# Allegro board 6089-119-RevB_08.brd (continued)
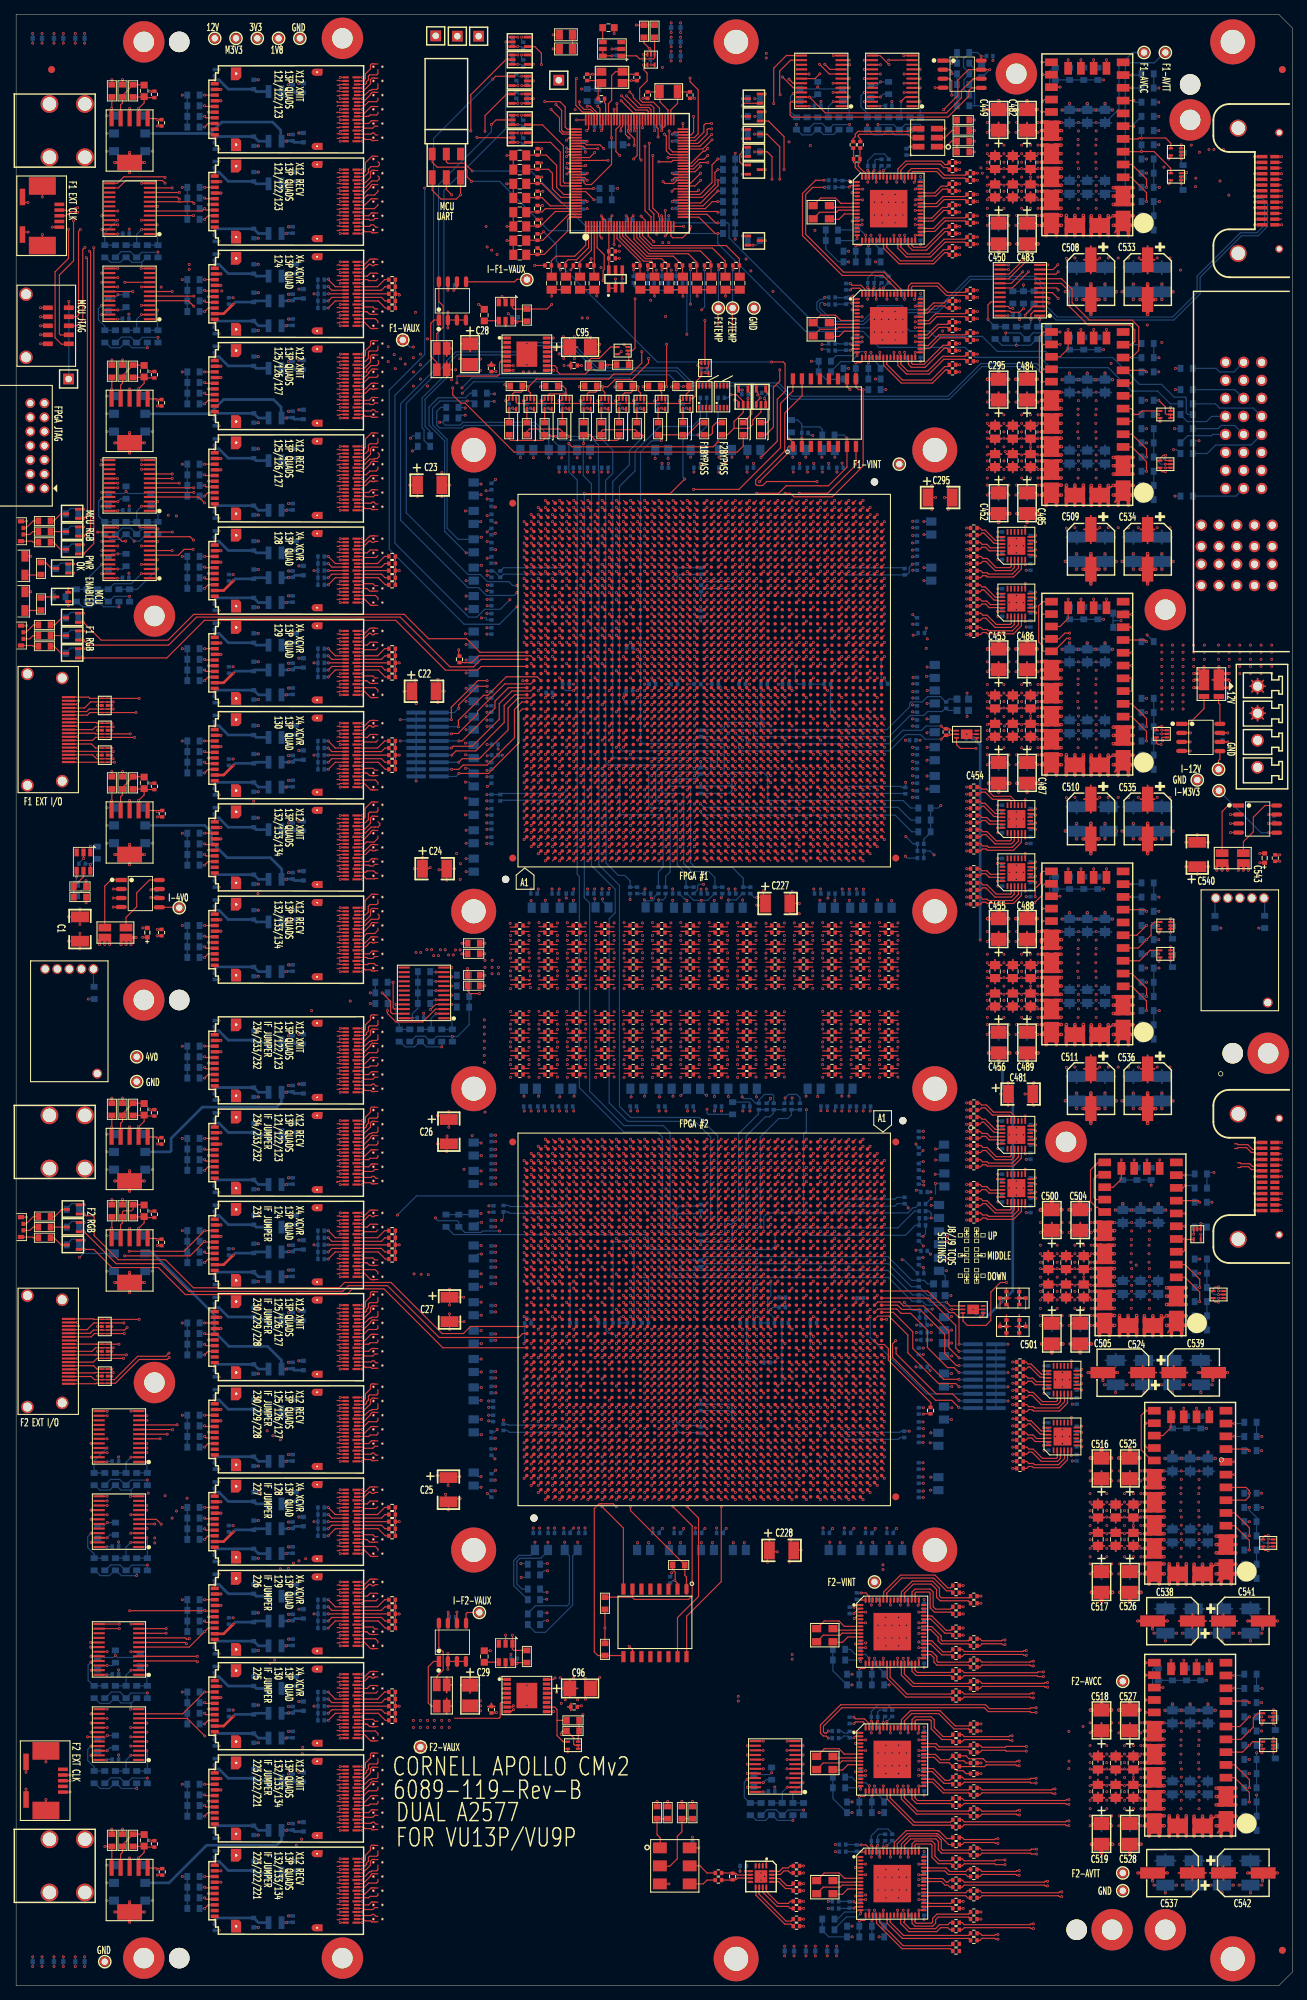
[diagram p0: board, top side]
## Routing (per net, layer and track width the routed paths; a pad name or vN(x,y) marks a point on that pad's centre or on a via; arc(x,y) is an arc through that point) (continued)
PF2_H_XMIT1: length 33.7
  TOP w0.165: U77.G7 116.39,113.29 ; C250.2 115.6,143.55 116.3,143.55
  SIG1 w0.083: 116.3,143.55 116.1,143.75 arc(116.07,143.77) 116.04,143.78 115.96,143.78 arc(115.53,143.6) 115.36,143.18 115.36,140.45 arc(115.4,140.25) 115.51,140.09 115.51,140.09 arc(115.84,139.59) 115.95,139.01 115.95,128.39 115.95,127.69 arc(116.02,127.37) 116.2,127.1 116.56,126.74 arc(116.89,126.24) 117.01,125.65 117.01,123.09 117.1,123 117.1,122.67 117.01,122.58 117.01,122.25 117.1,122.16 117.1,121.83 117.01,121.74 117.01,114 arc(116.89,113.71) 116.6,113.59 arc(116.45,113.53) 116.39,113.38 116.39,113.29
PF2_H_XMIT2: length 38.5
  TOP w0.165: U77.H9 115.39,111.29 ; 116.3,146.09 115.64,146.09 C248.2
  SIG1 w0.083: 115.39,111.29 115.39,111.43 arc(115.45,111.57) 115.6,111.63 115.75,111.63 arc(115.96,111.72) 116.05,111.93 116.05,125.48 arc(115.93,126.06) 115.6,126.56 115.42,126.74 arc(115.26,126.98) 115.2,127.27 115.2,138.82 115.2,138.95 arc(115.18,139.07) 115.14,139.18 115.08,139.29 115.05,139.32 arc(114.91,139.59) 114.86,139.9 114.86,143.4 arc(114.89,143.54) 114.97,143.66 115.08,143.77 arc(115.17,143.91) 115.2,144.07 115.2,146.22 arc(115.22,146.27) 115.26,146.3 arc(115.33,146.31) 115.4,146.31 116.04,146.31 arc(116.07,146.31) 116.1,146.29 116.3,146.09
PF2_H_XMIT3: length 39.3
  TOP w0.165: U77.J7 114.39,113.29 ; C246.2 115.59,148.54 116.3,148.54
  SIG1 w0.083: 114.39,113.29 114.39,113.6 arc(114.42,113.66) 114.47,113.69 114.6,113.69 114.88,113.8 115,114.09 115,125.62 arc(114.95,125.88) 114.8,126.1 arc(114.7,126.25) 114.66,126.44 114.66,127.28 arc(114.66,127.36) 114.64,127.43 arc(114.61,127.5) 114.58,127.58 arc(114.54,127.64) 114.5,127.7 arc(114.4,127.87) 114.36,128.07 114.36,148.37 arc(114.47,148.65) 114.75,148.76 116.04,148.76 arc(116.07,148.76) 116.1,148.74 116.3,148.54
PF2_I_RECV0: length 29.9
  TOP w0.165: 120.3,133.59 119.64,133.59 C274.1 ; U77.C6 120.39,114.29
  SIG2 w0.083: 120.39,114.29 120.39,114.54 arc(120.44,114.65) 120.55,114.7 120.72,114.7 arc(120.78,114.68) 120.8,114.62 120.8,114.1 arc(120.74,113.96) 120.6,113.9 118.15,113.9 arc(118.04,113.94) 118,114.05 118,115.48 arc(118.07,115.66) 118.25,115.74 118.41,115.74 arc(118.61,115.78) 118.77,115.89 118.79,115.9 arc(118.91,116.08) 118.95,116.29 118.95,116.35 118.95,116.35 118.95,117.45 arc(119.02,117.63) 119.2,117.7 119.4,117.7 arc(119.79,117.83) 120.02,118.17 arc(120.04,118.23) 120.05,118.3 arc(120.05,118.32) 120.05,118.35 arc(120.05,118.35) 120.05,118.35 120.05,119.39 120.35,119.69 120.35,120.02 120.05,120.32 120.05,120.65 120.35,120.95 120.35,121.28 120.05,121.58 120.05,121.91 120.35,122.21 120.35,122.54 120.05,122.84 120.05,123.61 120.2,123.76 120.2,124.09 120.05,124.24 120.05,124.57 120.2,124.72 120.2,125.05 120.05,125.2 120.05,125.51 arc(120.02,125.64) 119.95,125.75 119.59,126.11 arc(119.59,126.11) 119.59,126.11 119.32,126.38 arc(118.97,126.9) 118.85,127.51 118.85,131.62 119,131.77 119,132.1 118.85,132.25 118.85,132.58 119,132.73 119,133.06 118.85,133.21 118.85,133.42 arc(118.97,133.7) 119.25,133.82 120.04,133.82 arc(120.07,133.81) 120.1,133.79 120.3,133.59
PF2_I_RECV1: length 20.4
  TOP w0.165: 120.3,128.59 119.64,128.59 C278.1 ; U77.E6 118.39,114.29
  SIG2 w0.083: 118.39,114.29 118.39,114.6 arc(118.42,114.66) 118.47,114.69 119.55,114.69 arc(119.87,114.82) 120,115.14 120,115.45 arc(120.06,115.59) 120.2,115.65 121.55,115.65 arc(121.87,115.78) 122,116.1 122,124.94 arc(121.84,125.73) 121.39,126.41 120.09,127.71 arc(119.91,127.98) 119.84,128.3 119.84,128.3 119.84,128.73 arc(119.86,128.78) 119.91,128.81 arc(119.93,128.81) 119.96,128.82 120.04,128.82 arc(120.07,128.81) 120.1,128.79 120.3,128.59
PF2_I_RECV2: length 19.2
  TOP w0.165: C276.1 119.64,131.09 120.3,131.09 ; U77.D4 119.39,116.29
  SIG2 w0.083: 119.39,116.29 119.39,116.6 arc(119.42,116.66) 119.47,116.69 120.55,116.69 arc(120.9,116.83) 121.05,117.18 121.05,122.89 121.05,124.43 121.06,124.44 arc(120.83,125.6) 120.17,126.58 119.63,127.12 arc(119.42,127.43) 119.35,127.8 119.35,130.71 arc(119.53,131.14) 119.96,131.32 120.04,131.32 arc(120.07,131.31) 120.1,131.29 120.3,131.09
PF2_I_RECV3: length 21.8
  TOP w0.165: 120.3,136.04 119.59,136.04 C272.1 ; U77.E2 118.39,118.29
  SIG2 w0.083: 118.39,118.29 118.39,118.6 arc(118.42,118.66) 118.47,118.69 arc(118.85,118.84) 119,119.21 119,125.48 arc(118.98,125.59) 118.91,125.68 118.83,125.77 arc(118.44,126.34) 118.31,127.02 118.31,135.57 arc(118.51,136.06) 119,136.27 120.04,136.27 arc(120.07,136.26) 120.1,136.24 120.3,136.04
PF2_I_XMIT0: length 41.8
  TOP w0.165: 120.3,141.09 119.64,141.09 C270.2 ; U77.E11 118.39,109.29
  SIG1 w0.083: 118.39,109.29 118.39,109.6 arc(118.42,109.66) 118.47,109.69 118.56,109.69 arc(118.72,109.62) 118.79,109.45 118.79,109.1 arc(118.91,108.81) 119.2,108.69 121.6,108.69 arc(121.89,108.81) 122.01,109.1 122.01,110.35 arc(122.02,110.4) 122.05,110.45 122.22,110.62 arc(122.25,110.64) 122.29,110.65 122.6,110.65 arc(123.06,110.74) 123.45,111 123.63,111.18 arc(123.83,111.42) 123.99,111.7 arc(124,111.71) 124.01,111.72 124.05,111.84 arc(124.13,112.14) 124.16,112.46 124.16,122.64 arc(124.04,123.24) 123.7,123.74 122.36,125.09 arc(121.51,126.36) 121.21,127.86 121.21,138.55 arc(121.12,139) 120.87,139.38 119.97,140.28 arc(119.9,140.38) 119.88,140.5 119.88,141.23 arc(119.9,141.29) 119.96,141.31 120.04,141.31 arc(120.07,141.31) 120.1,141.29 120.3,141.09
PF2_I_XMIT1: length 40.7
  TOP w0.165: 120.3,146.09 119.64,146.09 C266.2 ; U77.C11 120.39,109.29
  SIG1 w0.083: 120.39,109.29 120.39,109.6 arc(120.42,109.66) 120.47,109.69 120.56,109.69 arc(120.87,109.82) 121,110.13 121,123.44 arc(121,123.5) 120.99,123.56 120.93,123.87 arc(120.7,124.54) 120.28,125.11 arc(119.48,126.32) 119.2,127.75 119.2,138.54 arc(119.16,138.73) 119.05,138.9 arc(118.94,139.07) 118.9,139.26 118.9,145.67 arc(119.09,146.12) 119.55,146.32 120.04,146.32 arc(120.07,146.31) 120.1,146.29 120.3,146.09
PF2_I_XMIT2: length 35.9
  TOP w0.165: C268.2 119.64,143.59 120.3,143.59 ; U77.B9 121.39,111.29
  SIG1 w0.083: 121.39,111.29 121.39,111.6 arc(121.42,111.66) 121.47,111.69 121.56,111.69 arc(121.87,111.82) 122,112.13 122,122.39 arc(121.56,124.61) 120.3,126.5 arc(120.04,126.88) 119.95,127.34 119.95,139.05 arc(119.9,139.28) 119.78,139.47 119.47,139.78 arc(119.42,139.86) 119.4,139.95 119.4,143.26 arc(119.56,143.65) 119.96,143.82 120.04,143.82 arc(120.07,143.81) 120.1,143.79 120.3,143.59
PF2_I_XMIT3: length 41.7
  TOP w0.165: U77.D9 119.39,111.29 ; C264.2 119.59,148.54 120.3,148.54
  SIG1 w0.083: 120.3,148.54 120.1,148.74 arc(120.07,148.76) 120.04,148.76 118.75,148.76 arc(118.47,148.65) 118.36,148.37 118.36,128.2 arc(118.36,128.16) 118.37,128.12 arc(118.4,128.04) 118.44,127.97 arc(118.53,127.75) 118.56,127.53 118.56,125.62 arc(118.68,125.04) 119.01,124.54 119.61,123.94 arc(119.73,123.8) 119.82,123.65 arc(119.84,123.62) 119.86,123.58 arc(119.95,123.38) 119.95,123.17 arc(119.95,123.14) 119.95,123.12 119.95,112.08 arc(119.83,111.8) 119.56,111.69 119.47,111.69 arc(119.42,111.66) 119.39,111.6 119.39,111.29
PF2_J_RECV0: length 36.4
  TOP w0.165: C294.1 123.64,128.59 124.3,128.59 ; U77.C20 120.39,100.29
  SIG2 w0.083: 120.39,100.29 120.39,100.58 arc(120.42,100.66) 120.5,100.69 120.6,100.69 arc(120.89,100.81) 121.01,101.1 121.01,101.35 arc(121.09,101.56) 121.3,101.64 124.73,101.64 arc(125.45,101.94) 125.75,102.66 arc(125.84,103.11) 126.1,103.5 126.27,103.67 arc(126.34,103.77) 126.36,103.89 126.36,119.39 arc(126.36,119.43) 126.37,119.47 arc(126.44,119.67) 126.54,119.87 arc(126.56,119.9) 126.58,119.94 arc(126.71,120.15) 126.75,120.4 126.75,122.24 arc(126.63,122.85) 126.29,123.36 126.15,123.5 arc(125.97,123.78) 125.9,124.11 125.9,125.16 arc(125.76,125.84) 125.38,126.42 124.09,127.71 arc(123.91,127.98) 123.84,128.3 123.84,128.3 123.84,128.73 arc(123.86,128.78) 123.91,128.81 arc(123.93,128.81) 123.96,128.82 124.04,128.82 arc(124.07,128.81) 124.1,128.79 124.3,128.59
PF2_J_RECV1: length 35.2
  TOP w0.165: C292.1 123.6,131.05 124.3,131.05 ; U77.B18 121.39,102.29
  SIG2 w0.083: 121.39,102.29 121.39,102.43 arc(121.47,102.61) 121.65,102.69 123.8,102.69 arc(124.2,102.77) 124.55,103 124.81,103.26 arc(125.18,103.81) 125.31,104.46 125.31,107.09 125.31,107.09 125.31,119.62 arc(125.4,120.17) 125.66,120.67 arc(125.86,121.03) 125.97,121.42 arc(125.97,121.48) 125.97,121.54 125.97,121.96 arc(125.85,122.57) 125.5,123.1 125.33,123.27 arc(125.06,123.68) 124.96,124.16 124.96,124.79 arc(124.88,125.25) 124.66,125.65 arc(124.5,125.88) 124.39,126.13 arc(124.18,126.55) 123.89,126.91 123.49,127.31 arc(123.39,127.47) 123.35,127.65 123.35,130.67 arc(123.53,131.1) 123.96,131.28 124.04,131.28 arc(124.07,131.27) 124.1,131.25 124.3,131.05
PF2_J_RECV2: length 46.4
  TOP w0.165: C290.1 123.64,133.59 124.3,133.59 ; U77.A20 122.39,100.29
  SIG2 w0.083: 124.3,133.59 124.1,133.79 arc(124.07,133.81) 124.04,133.82 123.25,133.82 arc(122.97,133.7) 122.85,133.42 122.85,127.51 arc(122.97,126.9) 123.32,126.38 arc(123.83,125.61) 124.01,124.71 124.01,120.05 124.15,119.91 124.15,119.58 124.01,119.44 124.01,119.11 124.15,118.96 124.15,118.63 124.01,118.49 124.01,118.16 124.15,118.02 124.15,117.69 124.01,117.55 124.01,117.22 124.15,117.08 124.15,116.75 124.01,116.61 124.01,116.28 124.15,116.14 124.15,115.81 124.01,115.67 124.01,115.34 124.15,115.2 124.15,114.87 124.01,114.73 124.01,114.4 124.15,114.26 124.15,113.93 124.01,113.79 124.01,113.46 124.15,113.32 124.15,112.99 124.01,112.85 124.01,112.52 124.15,112.38 124.15,112.05 124.01,111.91 124.01,111.58 124.15,111.44 124.15,111.11 124.01,110.97 124.01,110.64 124.15,110.5 124.15,110.17 124.01,110.03 124.01,104.4 arc(123.8,103.91) 123.31,103.7 120.2,103.7 arc(120.06,103.64) 120,103.5 120,100.2 arc(120.02,100.11) 120.07,100.03 120.1,100 arc(120.21,99.93) 120.34,99.9 122.71,99.9 arc(122.89,99.97) 123,100.12 123,100.45 arc(122.93,100.63) 122.75,100.7 122.5,100.7 arc(122.42,100.67) 122.39,100.59 122.39,100.29
PF2_J_RECV3: length 26
  TOP w0.165: U77.A6 122.39,114.29 ; 124.3,136.04 123.59,136.04 C288.1
  SIG2 w0.083: 122.39,114.29 122.39,114.53 arc(122.44,114.64) 122.55,114.69 122.7,114.69 arc(123.06,114.84) 123.21,115.2 123.21,124.63 arc(123.09,125.24) 122.75,125.75 arc(122.42,126.23) 122.31,126.81 122.31,135.57 arc(122.51,136.06) 123,136.27 124.04,136.27 arc(124.07,136.26) 124.1,136.24 124.3,136.04
PF2_J_XMIT0: length 46.8
  TOP w0.165: C284.2 123.6,143.55 124.3,143.55 ; U77.C15 120.39,105.29
  SIG1 w0.083: 120.39,105.29 120.39,105.6 arc(120.42,105.66) 120.47,105.69 120.56,105.69 arc(120.83,105.8) 120.95,106.08 120.95,106.45 arc(121.02,106.63) 121.2,106.7 122.75,106.7 arc(123.96,106.94) 124.98,107.62 126.75,109.39 arc(127.3,110.23) 127.5,111.21 127.5,123.15 arc(127.37,123.8) 127.01,124.34 124.35,127 arc(124.06,127.44) 123.95,127.96 123.95,139.01 arc(123.84,139.59) 123.51,140.09 123.51,140.09 arc(123.4,140.25) 123.36,140.45 123.36,143.18 arc(123.53,143.6) 123.96,143.78 124.04,143.78 arc(124.07,143.77) 124.1,143.75 124.3,143.55
PF2_J_XMIT1: length 43.1
  TOP w0.165: C286.2 123.64,141.09 124.3,141.09 ; U77.A15 122.39,105.29
  SIG1 w0.083: 122.39,105.29 122.39,105.6 arc(122.42,105.66) 122.47,105.69 122.56,105.69 arc(124.4,106.05) 125.97,107.1 127.87,109 arc(128.34,109.7) 128.5,110.53 128.5,123.54 arc(128.34,124.33) 127.9,125 127.9,125 126.06,126.84 arc(125.43,127.78) 125.21,128.89 125.21,138.55 arc(125.12,139) 124.87,139.38 123.97,140.28 arc(123.9,140.38) 123.88,140.5 123.88,141.23 arc(123.9,141.29) 123.96,141.31 124.04,141.31 arc(124.07,141.31) 124.1,141.29 124.3,141.09
PF2_J_XMIT2: length 46.1
  TOP w0.165: C282.2 123.64,146.09 124.3,146.09 ; U77.B13 121.39,107.29
  SIG1 w0.083: 121.39,107.29 121.39,107.6 arc(121.42,107.66) 121.47,107.69 122.7,107.69 arc(123.24,107.79) 123.7,108.1 125.76,110.16 arc(126.31,110.98) 126.5,111.95 126.5,123.13 arc(126.37,123.79) 125.99,124.35 123.9,126.45 arc(123.31,127.33) 123.1,128.37 123.1,138.52 123.14,138.56 123.14,138.64 123.2,138.82 123.2,138.95 arc(123.18,139.07) 123.14,139.18 123.08,139.29 123.05,139.32 arc(122.91,139.59) 122.86,139.9 122.86,143.4 arc(122.89,143.54) 122.97,143.66 123.08,143.77 arc(123.17,143.91) 123.2,144.07 123.2,146.22 arc(123.22,146.27) 123.26,146.3 arc(123.33,146.31) 123.4,146.31 124.04,146.31 arc(124.07,146.31) 124.1,146.29 124.3,146.09
PF2_J_XMIT3: length 46.1
  TOP w0.165: C280.2 123.59,148.54 124.3,148.54 ; U77.A11 122.39,109.29
  SIG1 w0.083: 124.3,148.54 124.1,148.74 arc(124.07,148.76) 124.04,148.76 122.75,148.76 arc(122.47,148.65) 122.36,148.37 122.36,128.17 arc(122.63,126.8) 123.41,125.64 123.41,125.64 125.65,123.39 arc(125.89,123.04) 125.97,122.62 125.97,121.4 arc(125.93,121.2) 125.82,121.02 125.74,120.94 arc(125.56,120.68) 125.5,120.37 125.5,112.82 arc(125.24,111.51) 124.49,110.39 124.12,110.02 arc(123.75,109.77) 123.31,109.69 122.47,109.69 arc(122.42,109.66) 122.39,109.6 122.39,109.29
PF2_M_RECV0: length 17.6
  TOP w0.165: U77.BJ6 73.61,114.29 ; 72.3,129.25 71.6,129.25 C56.1
  SIG2 w0.083: 71.78,127.27 72.84,126.21 arc(72.95,126.04) 72.99,125.85 72.99,115.15 arc(73.13,114.83) 73.45,114.69 arc(73.56,114.64) 73.61,114.53 73.61,114.29 ; 71.78,127.27 71.78,127.27 71.78,127.27 ; 71.78,127.27 arc(71.7,127.4) 71.67,127.55 71.67,128.67 arc(71.76,128.9) 72,129 arc(72.05,129.01) 72.09,129.04 72.3,129.25
PF2_M_RECV1: length 20.6
  TOP w0.165: U77.BL6 71.61,114.29 ; 72.3,131.71 71.64,131.71 C54.1
  SIG2 w0.083: 72.3,131.71 72.1,131.51 arc(72.07,131.49) 72.04,131.49 71.96,131.49 arc(71.42,131.26) 71.19,130.72 71.19,127.23 arc(71.29,126.75) 71.56,126.34 71.7,126.2 arc(71.95,125.82) 72.04,125.38 72.04,118.77 arc(71.9,118.05) 71.49,117.44 71.43,117.38 arc(70.99,116.72) 70.84,115.95 70.84,115.15 arc(70.98,114.83) 71.3,114.69 71.4,114.69 arc(71.55,114.63) 71.61,114.48 71.61,114.29
PF2_M_RECV2: length 40.8
  TOP w0.165: U77.BL20 71.61,100.29 ; 72.3,136.71 71.64,136.71 C50.1
  SIG2 w0.083: 72.3,136.71 72.1,136.51 arc(72.07,136.49) 72.04,136.49 71.15,136.49 arc(70.4,136.17) 70.09,135.43 70.09,120.63 arc(69.96,119.99) 69.6,119.45 arc(69.22,118.88) 69.09,118.21 69.09,117.35 arc(69.09,117.33) 69.09,117.31 arc(69.1,117.28) 69.1,117.26 69.1,111.55 arc(69.23,110.9) 69.59,110.36 70.3,109.65 arc(70.74,108.99) 70.9,108.2 70.9,101.23 arc(71.06,100.85) 71.44,100.69 71.53,100.69 arc(71.58,100.66) 71.61,100.6 71.61,100.29
PF2_M_RECV3: length 36.1
  TOP w0.165: 72.3,134.25 71.6,134.25 C52.1 ; U77.BK18 72.61,102.29
  SIG2 w0.083: 72.61,102.29 72.61,102.6 arc(72.58,102.66) 72.53,102.69 72.44,102.69 arc(72.17,102.8) 72.05,103.08 72.05,110.35 arc(71.96,110.56) 71.75,110.65 71.2,110.65 arc(70.97,110.7) 70.77,110.83 70.4,111.2 arc(70.25,111.42) 70.2,111.68 70.2,116.89 arc(70.25,117.31) 70.4,117.71 arc(70.55,118.11) 70.6,118.53 70.6,132.67 arc(71,133.63) 71.96,134.03 72.04,134.03 arc(72.07,134.03) 72.1,134.05 72.3,134.25
PF2_M_XMIT0: length 34.3
  TOP w0.165: C48.2 71.6,141.75 72.3,141.75 72.3,141.62 72.34,141.66 72.4,141.66 72.51,141.77 ; U77.BK9 72.61,111.29
  SIG1 w0.083: 72.61,111.29 72.61,111.34 arc(72.5,111.59) 72.25,111.7 71.4,111.7 arc(71.15,111.8) 71.05,112.05 71.05,125.1 71.03,125.12 71.03,125.34 arc(71.14,125.88) 71.44,126.34 arc(71.66,126.66) 71.73,127.04 71.73,141.32 arc(71.82,141.52) 72.02,141.61 72.12,141.61 arc(72.33,141.65) 72.51,141.77
PF2_M_XMIT1: length 38.4
  TOP w0.165: C46.2 71.6,144.25 72.39,144.25 ; U77.BL11 71.61,109.29
  SIG1 w0.083: 72.39,144.25 72.15,144.04 arc(72.13,144.02) 72.09,144.02 72.01,144.02 arc(71.44,143.79) 71.2,143.21 71.2,127.1 arc(71.14,126.78) 70.95,126.5 70.55,126.1 arc(70.47,126.01) 70.4,125.91 arc(70.36,125.84) 70.33,125.77 arc(70.27,125.58) 70.25,125.38 70.25,110.45 arc(70.47,109.92) 71,109.7 71.35,109.7 arc(71.53,109.62) 71.61,109.44 71.61,109.29
PF2_M_XMIT2: length 44.6
  TOP w0.165: U77.BK13 72.61,107.29 ; C44.2 71.6,146.75 72.3,146.75
  SIG1 w0.083: 72.3,146.75 72.1,146.55 arc(72.07,146.53) 72.04,146.52 71.96,146.52 arc(71.03,146.14) 70.65,145.22 70.65,127.7 arc(70.56,127.24) 70.3,126.85 70.05,126.6 arc(69.64,125.99) 69.5,125.27 69.5,108.75 arc(69.81,108.01) 70.55,107.7 72.1,107.7 arc(72.19,107.68) 72.27,107.63 72.61,107.29
PF2_M_XMIT3: length 48.9
  TOP w0.165: C42.2 71.64,149.21 72.3,149.21 ; U77.BL15 71.61,105.29
  SIG1 w0.083: 71.61,105.29 71.61,105.34 arc(71.52,105.56) 71.3,105.65 71.2,105.65 arc(69.72,106.27) 69.1,107.75 69.1,107.94 arc(69.06,108.13) 68.95,108.3 68.9,108.35 arc(68.71,108.63) 68.65,108.95 68.65,126.03 arc(68.67,126.14) 68.74,126.24 70,127.5 arc(70.04,127.56) 70.05,127.62 70.05,147.08 arc(70.61,148.43) 71.96,148.98 72.04,148.98 arc(72.07,148.99) 72.1,149.01 72.3,149.21
PF2_N_RECV0: length 15.3
  TOP w0.165: C73.1 75.64,128.59 76.3,128.59 ; U77.BF4 76.61,116.29
  SIG2 w0.083: 76.61,116.29 76.61,116.6 arc(76.63,116.66) 76.69,116.69 76.77,116.69 arc(77.08,116.81) 77.2,117.11 77.2,125.85 arc(77.15,126.12) 76.99,126.36 75.93,127.42 arc(75.89,127.48) 75.88,127.55 75.88,128.67 arc(75.91,128.75) 76,128.79 arc(76.09,128.77) 76.17,128.72 76.3,128.59
PF2_N_RECV1: length 19.8
  TOP w0.165: 76.3,131.05 75.6,131.05 C71.1 ; U77.BG6 75.61,114.29
  SIG2 w0.083: 75.61,114.29 75.61,114.6 arc(75.63,114.66) 75.69,114.69 75.77,114.69 arc(76.12,114.83) 76.26,115.17 76.26,123.12 76.25,123.12 76.25,123.41 76.26,123.41 76.26,125.23 arc(76.15,125.84) 75.83,126.36 arc(75.51,126.89) 75.4,127.49 75.4,130.72 arc(75.56,131.11) 75.96,131.28 76.04,131.28 arc(76.07,131.27) 76.1,131.25 76.3,131.05
PF2_N_RECV2: length 18.8
  TOP w0.165: C68.1 75.65,134.2 76.3,134.2 ; U77.BG2 75.61,118.29
  SIG2 w0.083: 75.61,118.29 75.61,118.6 arc(75.58,118.66) 75.53,118.69 75.44,118.69 arc(75.18,118.8) 75.07,119.06 75.07,123.42 arc(75.06,123.46) 75.06,123.5 arc(75.02,123.62) 74.97,123.72 arc(74.72,124.25) 74.64,124.83 74.64,132.66 arc(75.03,133.59) 75.96,133.97 76.04,133.97 arc(76.07,133.98) 76.1,134 76.3,134.2
PF2_N_RECV3: length 23.9
  TOP w0.165: C66.1 75.65,136.7 76.3,136.7 ; U77.BH4 74.61,116.29
  SIG2 w0.083: 74.61,116.29 74.61,116.6 arc(74.58,116.66) 74.53,116.69 74.44,116.69 arc(74.13,116.82) 74,117.13 74,123.34 arc(74.01,123.5) 74.06,123.65 arc(74.08,123.73) 74.09,123.8 74.09,135.37 arc(74.42,136.15) 75.2,136.47 76.04,136.47 arc(76.07,136.48) 76.1,136.5 76.3,136.7
PF2_N_XMIT0: length 32.8
  TOP w0.165: U77.BF9 76.61,111.29 ; 76.3,141.09 75.64,141.09 C65.2
  SIG1 w0.083: 76.61,111.29 76.61,111.48 arc(76.67,111.64) 76.83,111.7 76.91,111.7 arc(77.16,111.8) 77.26,112.05 77.26,112.14 77.25,112.15 77.25,138.56 arc(77.25,138.62) 77.25,138.68 arc(77.24,138.77) 77.21,138.85 arc(77.17,138.92) 77.13,138.97 76.09,140.01 arc(75.91,140.28) 75.85,140.59 75.85,141.08 arc(75.86,141.15) 75.9,141.21 75.94,141.25 arc(75.96,141.26) 75.98,141.27 76.03,141.28 arc(76.11,141.26) 76.18,141.21 76.3,141.09
PF2_N_XMIT1: length 36.3
  TOP w0.165: C63.2 75.6,143.55 76.3,143.55 ; U77.BH9 74.61,111.29
  SIG1 w0.083: 76.3,143.55 76.28,143.57 arc(76.08,143.7) 75.85,143.75 75.64,143.75 arc(75.56,143.73) 75.5,143.69 75.43,143.62 arc(75.41,143.6) 75.41,143.57 75.41,139.06 arc(75.45,138.86) 75.56,138.69 75.64,138.61 arc(75.79,138.38) 75.85,138.1 75.85,127.88 arc(75.88,127.76) 75.95,127.65 76.18,127.42 76.2,127.36 arc(76.25,127.22) 76.26,127.07 76.26,125.49 76.25,125.49 76.25,125.44 arc(76.25,125.42) 76.24,125.4 arc(76.24,125.34) 76.24,125.29 arc(76.25,125.26) 76.26,125.23 76.26,123.4 arc(76.26,123.35) 76.25,123.3 arc(76.25,123.26) 76.26,123.23 arc(76.26,123.19) 76.26,123.15 76.26,112.05 arc(76.14,111.77) 75.86,111.65 75.15,111.65 arc(74.98,111.62) 74.84,111.52 74.61,111.29
PF2_N_XMIT2: length 43.9
  TOP w0.165: U77.BJ11 73.61,109.29 ; C58.2 75.64,149.21 76.3,149.21
  SIG1 w0.083: 76.3,149.21 76.13,149.04 arc(76.1,149.02) 76.05,149.01 74.75,149.01 arc(74.28,148.82) 74.09,148.35 74.09,140.05 arc(74.02,139.71) 73.83,139.43 73.3,138.9 arc(73.11,138.61) 73.04,138.27 73.04,122.89 arc(73.04,122.87) 73.04,122.85 73.04,122.85 73.04,110.09 arc(73.16,109.8) 73.44,109.69 73.53,109.69 arc(73.58,109.66) 73.61,109.6 73.61,109.29
PF2_N_XMIT3: length 41.8
  TOP w0.165: U77.BG11 75.61,109.29 ; C60.2 75.64,146.71 76.3,146.71
  SIG1 w0.083: 76.3,146.71 76.1,146.51 arc(76.07,146.49) 76.04,146.49 75.18,146.49 arc(74.87,146.36) 74.74,146.05 74.74,127.9 arc(74.7,127.69) 74.58,127.52 74.32,127.25 arc(74.12,126.95) 74.04,126.59 74.04,110.08 74.03,110.04 74.04,110 74.04,109.95 74.08,109.92 74.12,109.83 74.18,109.78 74.25,109.72 74.3,109.72 74.32,109.69 74.39,109.69 74.41,109.69 74.44,109.69 75.53,109.69 arc(75.58,109.66) 75.61,109.6 75.61,109.29
PF2_O_RECV0: length 15.3
  TOP w0.165: 80.3,128.59 79.64,128.59 C93.1 ; U77.BB4 80.61,116.29
  SIG2 w0.083: 80.61,116.29 80.61,116.6 arc(80.63,116.66) 80.69,116.69 80.77,116.69 arc(81.08,116.81) 81.2,117.11 81.2,125.85 arc(81.15,126.12) 80.99,126.36 79.93,127.42 arc(79.89,127.48) 79.88,127.55 79.88,128.67 arc(79.91,128.75) 80,128.79 arc(80.09,128.77) 80.17,128.72 80.3,128.59
PF2_O_RECV1: length 15.9
  TOP w0.165: U77.BC2 79.61,118.29 ; 80.3,131.05 79.6,131.05 C91.1
  SIG2 w0.083: 79.61,118.29 79.61,118.6 arc(79.63,118.66) 79.69,118.69 79.77,118.69 arc(80.11,118.83) 80.25,119.16 80.25,125.75 arc(80.18,126.12) 79.97,126.43 79.63,126.77 arc(79.46,127.03) 79.4,127.33 79.4,130.72 arc(79.56,131.11) 79.96,131.28 80.04,131.28 arc(80.07,131.27) 80.1,131.25 80.3,131.05
PF2_O_RECV2: length 20.9
  TOP w0.165: C89.1 79.64,133.59 80.3,133.59 ; U77.BD4 78.61,116.29
  SIG2 w0.083: 78.61,116.29 78.61,116.6 arc(78.63,116.66) 78.69,116.69 78.77,116.69 arc(79.11,116.83) 79.25,117.16 79.25,125.35 arc(79.19,125.72) 79,126.05 arc(78.89,126.25) 78.85,126.47 78.85,133.42 arc(78.97,133.7) 79.25,133.82 80.04,133.82 arc(80.07,133.81) 80.1,133.79 80.3,133.59
PF2_O_RECV3: length 21.6
  TOP w0.165: C87.1 79.59,136.04 80.3,136.04 ; U77.BE2 77.61,118.29
  SIG2 w0.083: 77.61,118.29 77.61,118.6 arc(77.63,118.66) 77.69,118.69 77.82,118.69 78.05,118.78 78.15,119.02 78.15,123.02 78.15,123.02 78.15,123.48 78.15,123.48 78.15,124.42 arc(78.16,124.6) 78.21,124.77 78.24,124.87 arc(78.25,124.91) 78.26,124.95 78.3,125.25 arc(78.31,125.29) 78.31,125.33 78.31,135.57 arc(78.51,136.06) 79,136.27 80.04,136.27 arc(80.07,136.26) 80.1,136.24 80.3,136.04
PF2_O_XMIT0: length 32.8
  TOP w0.165: C85.2 79.64,141.09 80.3,141.09 ; U77.BB9 80.61,111.29
  SIG1 w0.083: 80.3,141.1 80.3,141.09 80.18,141.21 arc(80.11,141.26) 80.03,141.28 79.98,141.27 arc(79.96,141.26) 79.94,141.25 79.9,141.21 arc(79.86,141.15) 79.85,141.08 79.85,140.59 arc(79.89,140.41) 79.99,140.26 80.94,139.31 arc(81.17,138.97) 81.25,138.56 81.25,136.21 81.25,136.21 81.25,135.92 81.25,135.92 81.25,112.15 81.26,112.14 81.26,112.05 arc(81.16,111.8) 80.91,111.7 80.83,111.7 arc(80.67,111.64) 80.61,111.48 80.61,111.29
PF2_O_XMIT1: length 33.5
  TOP w0.165: C83.2 79.6,143.55 80.3,143.55 ; U77.BC7 79.61,113.29
  SIG1 w0.083: 80.3,143.55 80.28,143.57 arc(80.08,143.7) 79.85,143.75 79.64,143.75 arc(79.56,143.73) 79.5,143.69 79.43,143.62 arc(79.41,143.6) 79.41,143.57 79.41,139.06 arc(79.45,138.86) 79.56,138.69 79.64,138.61 arc(79.79,138.38) 79.85,138.1 79.85,127.88 arc(79.88,127.76) 79.95,127.65 80.18,127.42 80.2,127.36 arc(80.25,127.22) 80.26,127.07 80.26,125.49 80.25,125.49 80.25,125.2 80.26,125.2 80.26,114.05 arc(80.16,113.8) 79.91,113.7 79.83,113.7 arc(79.67,113.64) 79.61,113.48 79.61,113.29
PF2_O_XMIT2: length 38.3
  TOP w0.165: U77.BD9 78.61,111.29 ; 80.3,146.09 79.64,146.09 C81.2
  SIG1 w0.083: 80.3,146.09 80.22,146.17 arc(80.07,146.27) 79.9,146.3 79.47,146.3 arc(79.43,146.3) 79.39,146.29 arc(79.21,146.24) 79.06,146.16 arc(79.02,146.13) 78.99,146.1 arc(78.89,145.92) 78.85,145.71 78.85,138.41 78.95,138.03 78.95,127.1 arc(78.97,127) 79.02,126.92 79.08,126.87 arc(79.21,126.67) 79.26,126.43 79.26,123.41 79.25,123.41 79.25,123.12 79.26,123.12 79.26,112.05 arc(79.16,111.8) 78.91,111.7 78.83,111.7 arc(78.67,111.64) 78.61,111.48 78.61,111.29
PF2_O_XMIT3: length 39.3
  TOP w0.165: C79.2 79.59,148.54 80.3,148.54 ; U77.BE7 77.61,113.29
  SIG1 w0.083: 77.61,113.29 77.61,113.48 arc(77.67,113.64) 77.83,113.7 77.91,113.7 arc(78.16,113.8) 78.26,114.05 78.26,148.34 arc(78.26,148.38) 78.27,148.42 arc(78.33,148.55) 78.41,148.66 arc(78.51,148.73) 78.62,148.75 79.9,148.75 arc(80.08,148.72) 80.22,148.62 80.3,148.54
PF2_P_RECV0: length 15.3
  TOP w0.165: U77.AV4 84.61,116.29 ; C114.1 83.64,128.59 84.3,128.59
  SIG2 w0.083: 84.61,116.29 84.61,116.6 arc(84.63,116.66) 84.69,116.69 84.77,116.69 arc(85.08,116.81) 85.2,117.11 85.2,125.85 arc(85.15,126.12) 84.99,126.36 83.93,127.42 arc(83.89,127.48) 83.88,127.55 83.88,128.67 arc(83.91,128.75) 84,128.79 arc(84.09,128.77) 84.17,128.72 84.3,128.59
PF2_P_RECV1: length 15.9
  TOP w0.165: C112.1 83.6,131.05 84.3,131.05 ; U77.AW2 83.61,118.29
  SIG2 w0.083: 84.3,131.05 84.1,131.25 arc(84.07,131.27) 84.04,131.28 83.96,131.28 arc(83.56,131.11) 83.4,130.72 83.4,127.33 arc(83.46,127.03) 83.63,126.77 83.97,126.43 arc(84.18,126.12) 84.25,125.75 84.25,119.16 arc(84.11,118.83) 83.77,118.69 83.69,118.69 arc(83.63,118.66) 83.61,118.6 83.61,118.29
PF2_P_RECV2: length 20.9
  TOP w0.165: U77.AY4 82.61,116.29 ; C110.1 83.64,133.59 84.3,133.59
  SIG2 w0.083: 82.61,116.29 82.61,116.6 arc(82.63,116.66) 82.69,116.69 82.77,116.69 arc(83.11,116.83) 83.25,117.16 83.25,125.35 arc(83.19,125.72) 83,126.05 arc(82.89,126.25) 82.85,126.47 82.85,133.42 arc(82.97,133.7) 83.25,133.82 84.04,133.82 arc(84.07,133.81) 84.1,133.79 84.3,133.59